# KiCad board REVIUNG34SPLIT-RIGHT.kicad_pcb
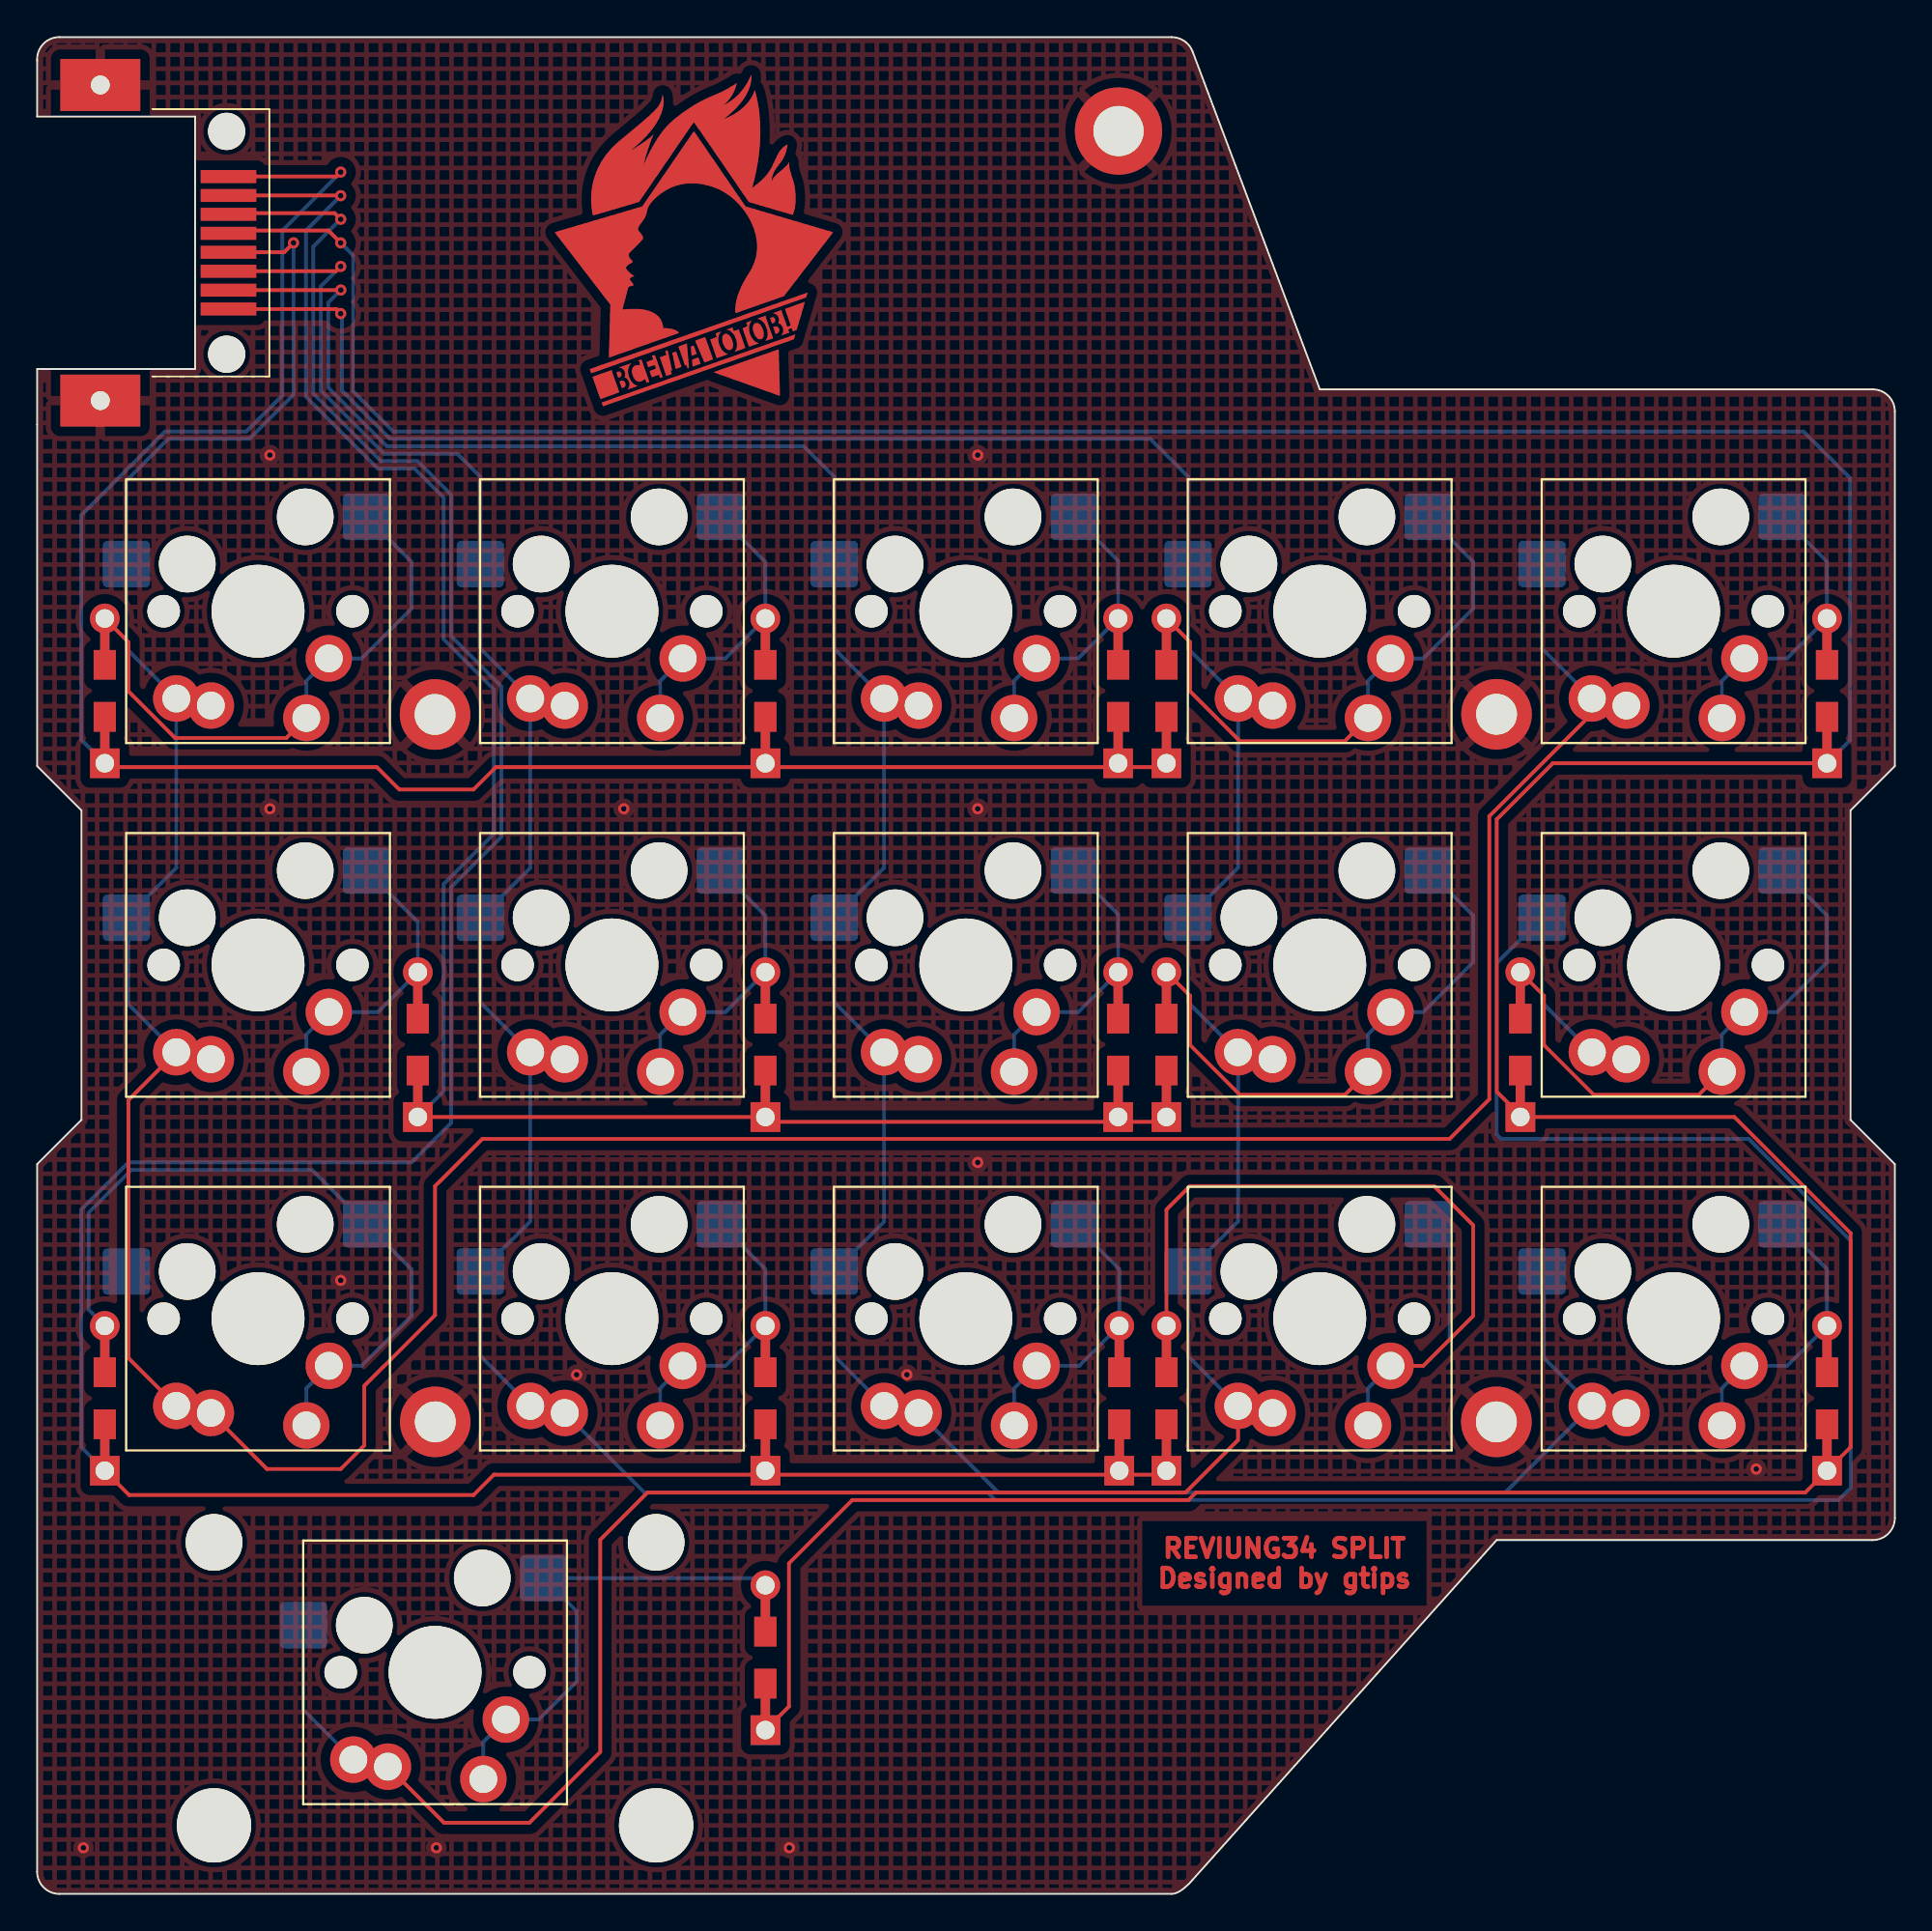
[diagram p0: board, top side]
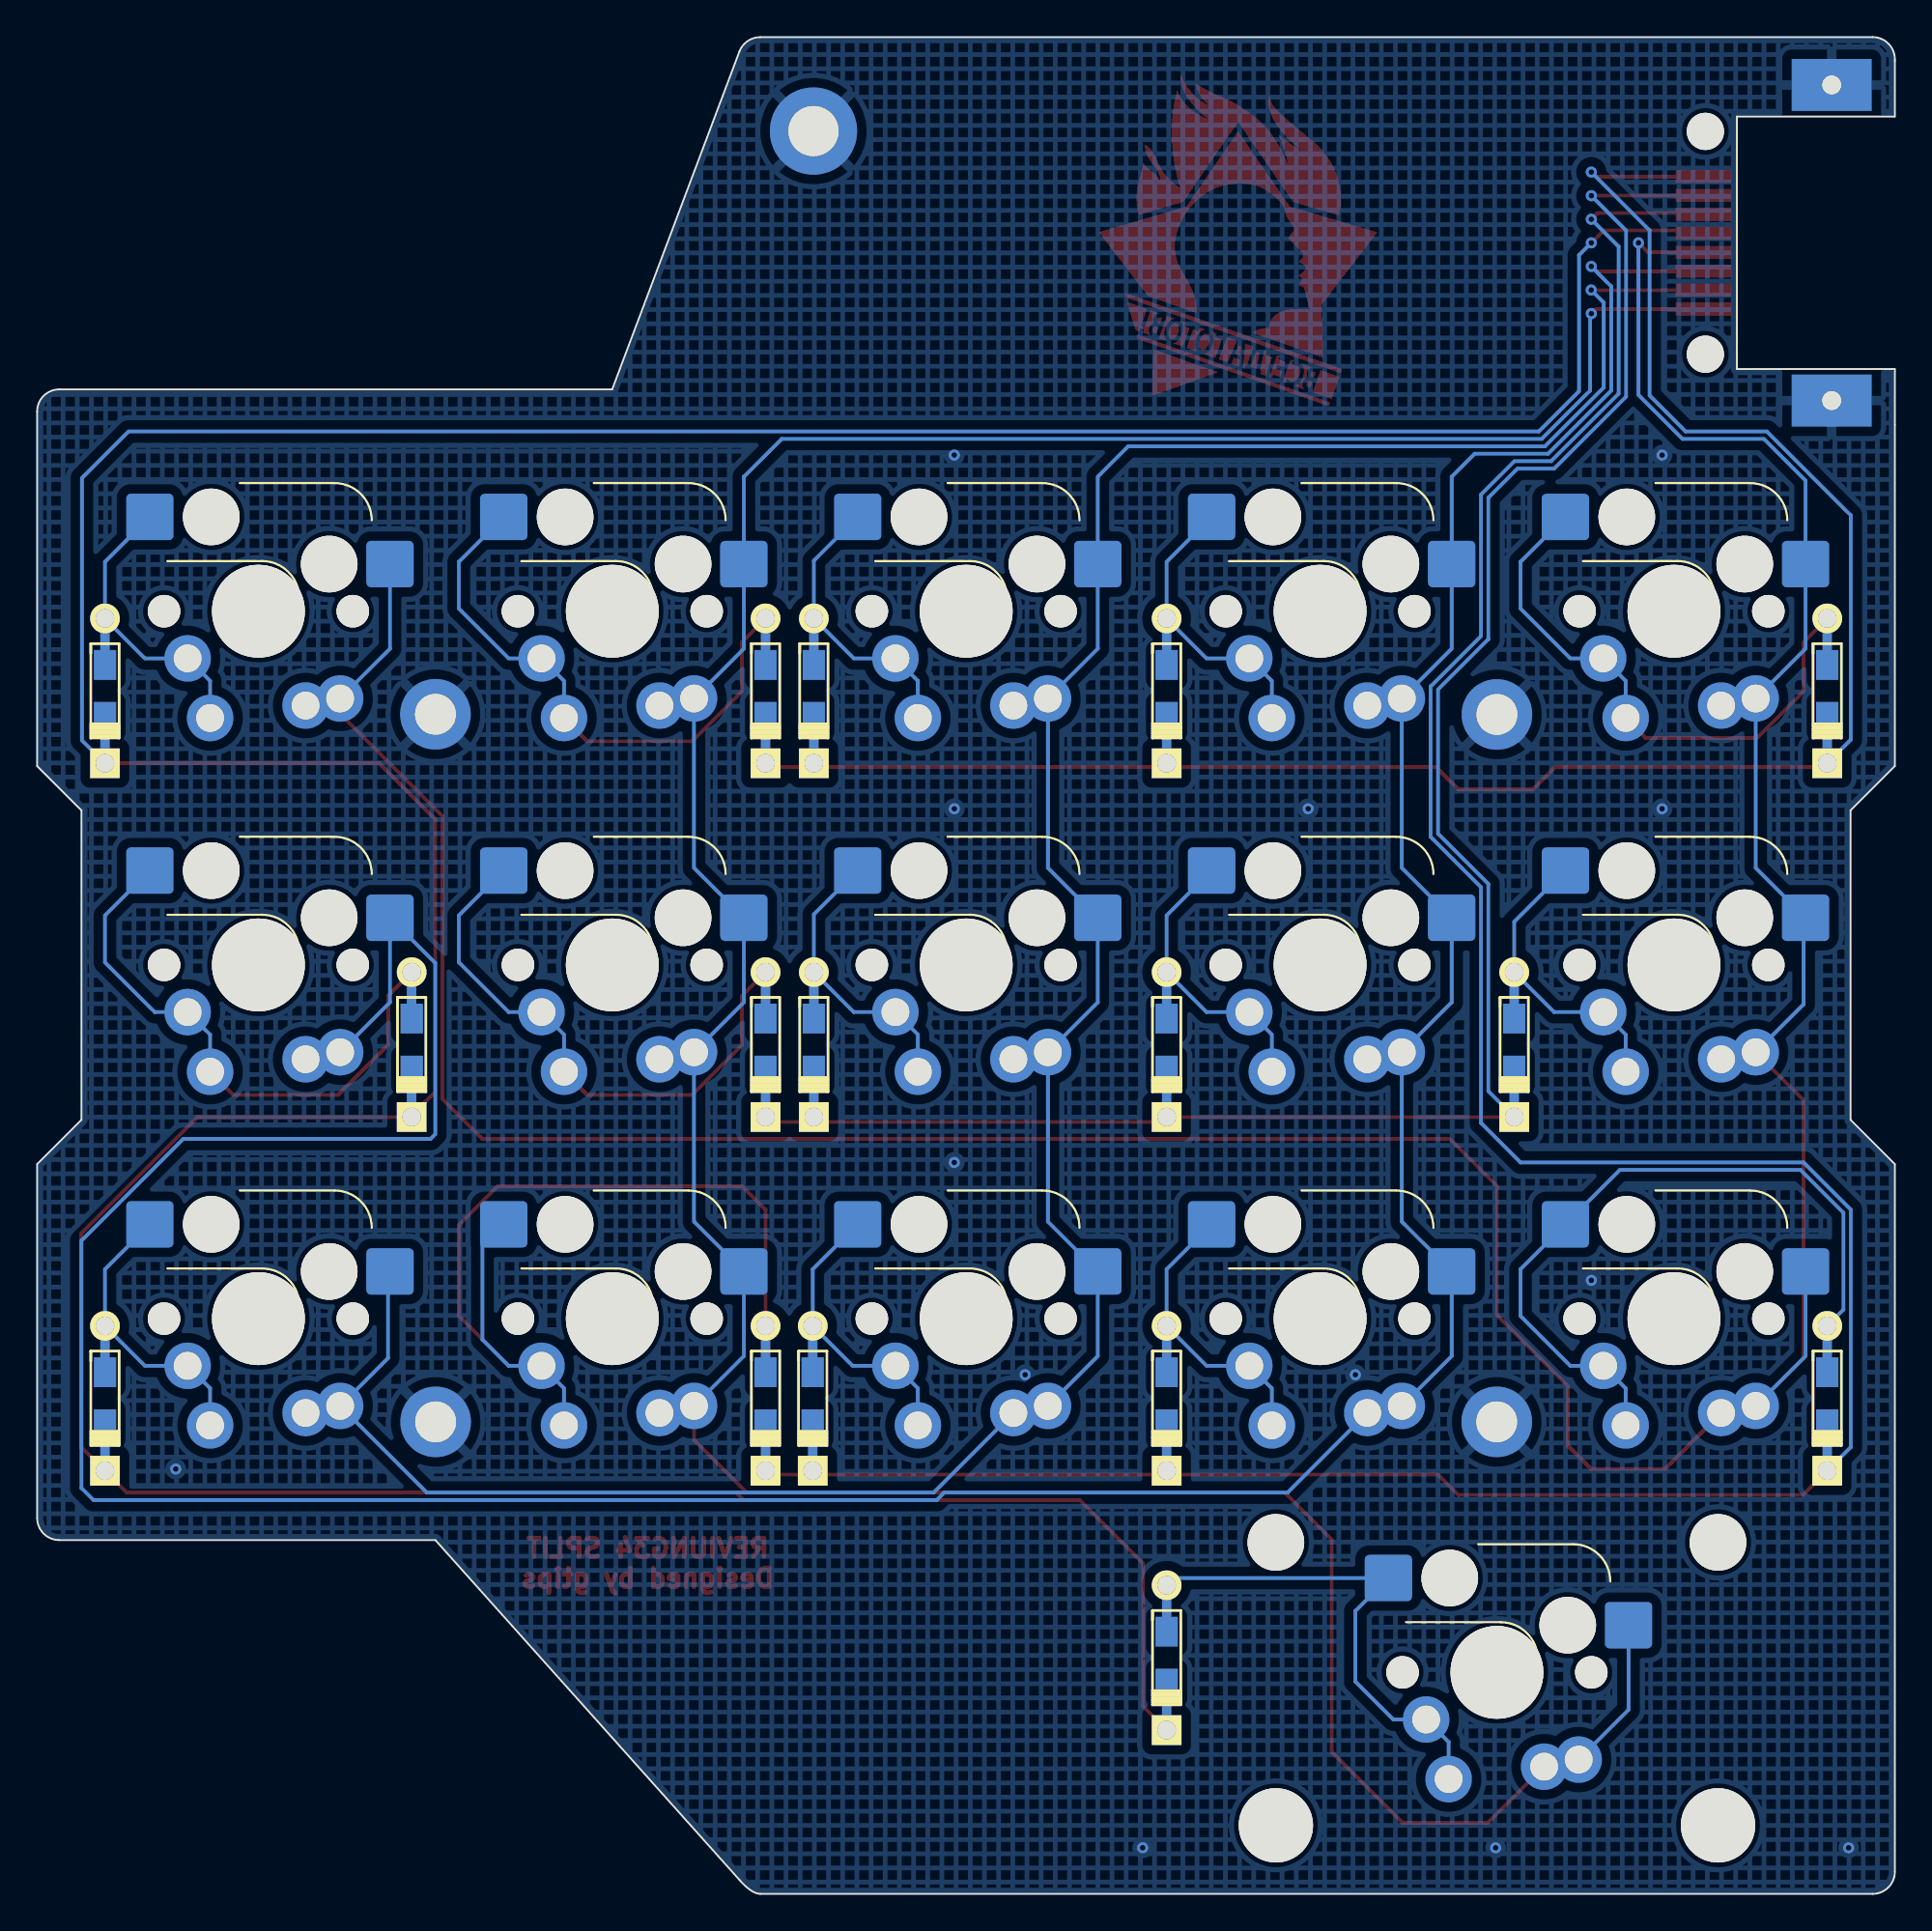
[diagram p1: board, bottom side, seen from below]

Outline 100 x 100 mm; copper layers: Top, Bottom. Coordinates in mm from the lower left corner of the outline.
Outline path: 0,98.72 0,98.81 ; 0,60.74 0,79.12
Stack: Top 0.035mm / dielectric 1.51mm FR4 er 4.5 / Bottom 0.035mm

## Placement (name value [footprint] x y rotation side)
D19  1N4148  [REVIUNG-DIODE-DUAL]  3.64 64.79 270 bottom
D20  1N4148  [REVIUNG-DIODE-DUAL]  39.2 64.79 270 bottom
D21  1N4148  [REVIUNG-DIODE-DUAL]  58.19 64.79 270 bottom
D22  1N4148  [REVIUNG-DIODE-DUAL]  60.79 64.79 270 bottom
D23  1N4148  [REVIUNG-DIODE-DUAL]  20.49 45.74 270 bottom
D24  1N4148  [REVIUNG-DIODE-DUAL]  39.2 45.74 270 bottom
D25  1N4148  [REVIUNG-DIODE-DUAL]  58.19 45.74 270 bottom
D26  1N4148  [REVIUNG-DIODE-DUAL]  60.79 45.74 270 bottom
D27  1N4148  [REVIUNG-DIODE-DUAL]  3.64 26.69 270 bottom
D28  1N4148  [REVIUNG-DIODE-DUAL]  39.2 26.69 270 bottom
D29  1N4148  [REVIUNG-DIODE-DUAL]  58.25 26.69 270 bottom
D30  1N4148  [REVIUNG-DIODE-DUAL]  60.79 26.69 270 bottom
D31  1N4148  [REVIUNG-DIODE-DUAL]  96.35 64.79 270 bottom
D32  1N4148  [REVIUNG-DIODE-DUAL]  79.84 45.74 270 bottom
D33  1N4148  [REVIUNG-DIODE-DUAL]  96.35 26.69 270 bottom
D34  1N4148  [REVIUNG-DIODE-DUAL]  39.2 12.72 270 bottom
G***  LOGO  [REVIUNG-LOGO]  35.39 88.92 0 top
H1  MountingHole_Pad  [MountingHole_2.7mm_M2.5_DIN965_Pad]  58.21 94.94 0 top
H2  H2  [MountingHole_2.2mm_M2_DIN965_Pad]  21.42 63.52 0 top
H3  H3  [MountingHole_2.2mm_M2_DIN965_Pad]  21.43 25.42 0 top
H4  H4  [MountingHole_2.2mm_M2_DIN965_Pad]  78.56 63.53 0 top
H5  H5  [MountingHole_2.2mm_M2_DIN965_Pad]  78.55 25.42 0 top
J1  8P8C  [SEPOR-RJ45-SOCKET]  5.39 88.92 270 top
SW19  SW_PUSH  [SEPOR-MX-KS27-HOTSWAP-1U]  11.89 69.08 0 top
SW20  SW_PUSH  [SEPOR-MX-KS27-HOTSWAP-1U]  30.94 69.08 0 top
SW21  SW_PUSH  [SEPOR-MX-KS27-HOTSWAP-1U]  49.99 69.08 0 top
SW22  SW_PUSH  [SEPOR-MX-KS27-HOTSWAP-1U]  69.04 69.08 0 top
SW23  SW_PUSH  [SEPOR-MX-KS27-HOTSWAP-1U]  11.89 50.03 0 top
SW24  SW_PUSH  [SEPOR-MX-KS27-HOTSWAP-1U]  30.94 50.03 0 top
SW25  SW_PUSH  [SEPOR-MX-KS27-HOTSWAP-1U]  49.99 50.03 0 top
SW26  SW_PUSH  [SEPOR-MX-KS27-HOTSWAP-1U]  69.04 50.03 0 top
SW27  SW_PUSH  [SEPOR-MX-KS27-HOTSWAP-1U]  11.89 30.98 0 top
SW28  SW_PUSH  [SEPOR-MX-KS27-HOTSWAP-1U]  30.94 30.98 0 top
SW29  SW_PUSH  [SEPOR-MX-KS27-HOTSWAP-1U]  49.99 30.98 0 top
SW30  SW_PUSH  [SEPOR-MX-KS27-HOTSWAP-1U]  69.04 30.98 0 top
SW31  SW_PUSH  [SEPOR-MX-KS27-HOTSWAP-1U]  88.09 69.08 0 top
SW32  SW_PUSH  [SEPOR-MX-KS27-HOTSWAP-1U]  88.09 50.03 0 top
SW33  SW_PUSH  [SEPOR-MX-KS27-HOTSWAP-1U]  88.09 30.98 0 top
SW34  SW_PUSH_2U  [SEPOR-MX-KS27-HOTSWAP-2U]  21.42 11.93 0 top

## Footprints (pads in the part's own frame, mm; a bottom-side part is the same pattern mirrored in y, then rotated)
MountingHole_2.2mm_M2_DIN965_Pad
  round 3.8 hole 2.2: 1(0,0)
MountingHole_2.7mm_M2.5_DIN965_Pad
  round 4.7 hole 2.7: 1(0,0)
REVIUNG-DIODE-DUAL
  rect 1.6x1.2 smd far side: 1(1.4,0) 2(-1.4,0)
  rect 1.6x1.2 smd: 1(1.4,0) 2(-1.4,0)
  rect 2.9x0.5 smd far side: 1(2.5,0) 2(-2.5,0)
  rect 2.9x0.5 smd: 1(2.5,0) 2(-2.5,0)
  rect 1.6x1.6 hole 1: 1(3.9,0)
  round 1.6 hole 1: 2(-3.9,0)
SEPOR-MX-KS27-HOTSWAP-1U
  round 1.75 hole 1.75 unplated: (-5.08,0) (5.08,0)
  round 3.05 hole 3.05 unplated: (-3.81,2.54) (2.54,5.08)
  round 5 hole 5 unplated: (0,0)
  rrect 2.55x2.5 smd far side: 1(-7.085,2.54) 2(5.842,5.08)
  round 2.5 hole 1.5: 1(-4.4,-4.7) 1(-2.54,-5.08) 2(2.6,-5.75) 2(3.81,-2.54)
SEPOR-MX-KS27-HOTSWAP-2U
  round 3.05 hole 3.05 unplated: (-11.9,7) (-3.81,2.54) (2.54,5.08) (11.9,7)
  round 4 hole 4 unplated: (-11.9,-8.24) (11.9,-8.24)
  round 1.75 hole 1.75 unplated: (-5.08,0) (5.08,0)
  round 5 hole 5 unplated: (0,0)
  rrect 2.55x2.5 smd far side: 1(-7.085,2.54) 2(5.842,5.08)
  round 2.5 hole 1.5: 1(-4.4,-4.7) 1(-2.54,-5.08) 2(2.6,-5.75) 2(3.81,-2.54)
SEPOR-RJ45-SOCKET
  round 1 hole 1 unplated: (-8.5,-1.99) (8.5,-1.99)
  round 2 hole 2 unplated: (-6,4.81) (6,4.81)
  rect 0.7x3 smd: 1(-3.57,4.91) 2(-2.55,4.91) 3(-1.53,4.91) 4(-0.51,4.91) 5(0.51,4.91) 6(1.53,4.91) 7(2.55,4.91) 8(3.57,4.91)
  rect 2.8x4.3 hole 1: SH(-8.5,-1.99) SH(8.5,-1.99)

## Nets
GND: H1.1 H2.1 H3.1 H4.1 H5.1 J1.SH
col5: J1.5 SW19.1 SW23.1 SW27.1 SW31.1
col6: J1.6 SW20.1 SW24.1 SW28.1 SW32.1
col7: J1.7 SW21.1 SW25.1 SW29.1 SW33.1
col8: J1.8 SW22.1 SW26.1 SW30.1 SW34.1
row0: D19.1 D20.1 D21.1 D22.1 J1.1
row1: D23.1 D24.1 D25.1 D26.1 J1.2
row2: D27.1 D28.1 D29.1 D30.1 J1.3
row3: D31.1 D32.1 D33.1 D34.1 J1.4
Net-(D19-Pad2): D19.2 SW19.2
Net-(D20-Pad2): D20.2 SW20.2
Net-(D21-Pad2): D21.2 SW21.2
Net-(D22-Pad2): D22.2 SW22.2
Net-(D23-Pad2): D23.2 SW23.2
Net-(D24-Pad2): D24.2 SW24.2
Net-(D25-Pad2): D25.2 SW25.2
Net-(D26-Pad2): D26.2 SW26.2
Net-(D27-Pad2): D27.2 SW27.2
Net-(D28-Pad2): D28.2 SW28.2
Net-(D29-Pad2): D29.2 SW29.2
Net-(D30-Pad2): D30.2 SW30.2
Net-(D31-Pad2): D31.2 SW31.2
Net-(D32-Pad2): D32.2 SW32.2
Net-(D33-Pad2): D33.2 SW33.2
Net-(D34-Pad2): D34.2 SW34.2

## Via types
v1: diameter 0.6, hole 0.3, Top to Bottom, 21 vias

## Routing (per net, layer and track width the routed paths; a pad name or vN(x,y) marks a point on that pad's centre or on a via; arc(x,y) is an arc through that point)
GND:
  vias: v1(2.49,2.48) v1(12.53,77.49) v1(12.53,58.44) v1(16.34,33.04) v1(21.49,2.48) v1(29.04,27.96) v1(31.58,58.44) v1(40.49,2.48) v1(46.82,27.96) v1(50.63,77.49) v1(50.63,58.44) v1(50.63,39.39) v1(92.54,22.88)
col5: length 203
  Top w0.2: SW23.1 4.91,42.75 4.91,28.86 SW27.1 ; SW31.1 83.69,63.56 78.17,58.04 78.17,42.8 76.03,40.66 23.96,40.66 21.42,38.12 21.42,31.17 17.61,27.36 17.61,24.15 16.34,22.88 12.37,22.88 SW27.1 ; v1(13.8,88.92) 13.29,88.41 10.37,88.41 10.3,88.48
  Bottom w0.2: SW31.1 81.01,67.07 SW31.1 ; SW23.1 4.91,47.91 4.91,52.47 SW23.1 7.49,55.26 SW19.1 4.81,67.07 SW19.1 4.81,76.12 7.05,78.36 11.43,78.36 13.8,80.74 v1(13.8,88.92) ; SW27.1 4.81,28.97 SW27.1
col6: length 206.6
  Top w0.2: v1(16.34,87.65) 16.08,87.39 10.37,87.39 10.3,87.46
  Bottom w0.2: SW32.1 81.01,48.02 SW32.1 78.57,50.14 78.57,40.91 78.82,40.66 92.13,40.66 97.62,35.18 97.62,21.86 96.97,21.21 51.57,21.21 51.17,21.61 32.69,21.61 SW28.1 ; SW28.1 23.86,28.97 23.86,33.52 26.54,36.21 SW24.1 23.86,48.02 23.86,52.57 26.54,55.26 SW20.1 23.86,67.07 23.86,76.33 22.62,77.56 18.67,77.56 15.27,80.96 15.27,86.58 v1(16.34,87.65)
col7: length 144.8
  Top w0.2: 10.3,86.44 10.37,86.37 16.34,86.37 v1(16.35,86.38)
  Bottom w0.2: SW29.1 42.91,28.97 SW29.1 45.59,36.21 SW25.1 42.91,48.02 SW25.1 45.59,55.26 SW21.1 42.91,67.07 SW21.1 42.91,76.33 41.27,77.96 18.84,77.96 15.67,81.13 15.67,85.7 v1(16.35,86.38) ; SW29.1 51.74,21.61 79.02,21.61 SW33.1 81.11,28.86 81.11,33.42 SW33.1 81.01,33.5
col8: length 185.9
  Top w0.2: 10.3,85.42 10.37,85.35 16.1,85.35 v1(16.34,85.11) ; SW34.1 21.9,3.83 26.5,3.83 30.31,7.64 30.31,19.07 32.85,21.61 61.81,21.61 64.64,24.44 SW30.1
  Bottom w0.2: v1(16.34,85.11) 16.4,85.05 16.4,80.96 19,78.36 59.92,78.36 61.96,76.33 SW22.1 61.96,67.07 SW22.1 64.64,55.26 SW26.1 61.96,48.02 SW26.1 64.64,36.21 SW30.1 61.96,28.97 SW30.1 ; SW34.1 14.34,9.92 14.34,14.47
row0: length 105.1
  Top w0.2: v1(16.34,92.73) 16.1,92.49 J1.1 ; 60.79,60.68 24.69,60.68 23.49,59.48 19.49,59.48 18.29,60.68 3.85,60.68 D19.1
  Bottom w0.2: v1(16.34,92.73) 13.2,89.59 13.2,80.7 11.26,78.76 6.88,78.76 2.37,74.25 2.37,62.16 D19.1
row1: length 103.9
  Top w0.2: D23.1 38.93,41.84 39.19,41.58 60.79,41.58 ; J1.2 16.33,91.47 v1(16.34,91.46)
  Bottom w0.2: v1(16.34,91.46) 14.47,89.59 14.47,80.63 18.34,76.76 20.31,76.76 21.88,75.2 21.88,67.58 24.59,64.87 24.59,57.1 21.88,54.39 21.88,43.23 D23.1
row2: length 156.5
  Top w0.2: v1(16.34,90.19) 16.01,90.52 10.3,90.52 ; D27.1 4.95,21.48 23.49,21.48 24.59,22.58 60.79,22.58
  Bottom w0.2: v1(16.34,90.19) 14.87,88.72 14.87,80.8 18.51,77.16 20.48,77.16 22.28,75.36 22.28,67.74 24.99,65.03 24.99,56.93 22.28,54.22 22.28,41.52 20.15,39.39 4.91,39.39 2.37,36.85 2.37,24.06 D27.1
row3: length 249.8
  Top w0.2: D31.1 81.59,60.89 78.57,57.88 78.57,43.2 79.84,41.93 D32.1 91.36,41.84 97.62,35.58 97.62,24.06 D33.1 95.17,21.61 62.38,21.61 61.98,21.21 43.88,21.21 40.47,17.8 40.47,10.09 D34.1 ; J1.4 10.46,89.59 15.67,89.59 v1(16.34,88.92)
  Bottom w0.2: D31.1 97.59,62.13 97.59,76.25 95.08,78.76 19.17,78.76 17,80.92 17,88.26 v1(16.34,88.92)
Net-(D19-Pad2): length 30.7
  Top w0.2: SW19.2 13.41,62.25 7.43,62.25 4.91,64.77 4.91,67.42 D19.2
  Bottom w0.2: SW19.2 14.49,65.33 SW19.2 17.47,66.54 20.15,69.22 20.15,71.74 SW19.2
Net-(D20-Pad2): length 15.5
  Bottom w0.2: SW20.2 39.2,71.74 D20.2 37.05,66.54 SW20.2 33.54,65.33 SW20.2
Net-(D21-Pad2): length 15.4
  Bottom w0.2: SW21.2 58.19,71.8 D21.2 56.04,66.54 SW21.2 52.59,65.33 SW21.2
Net-(D22-Pad2): length 30.9
  Top w0.2: SW22.2 70.39,62.08 64.75,62.08 62.06,64.77 62.06,67.42 D22.2
  Bottom w0.2: SW22.2 77.3,71.74 77.3,69.22 74.62,66.54 SW22.2 71.64,65.33 SW22.2
Net-(D23-Pad2): length 16
  Bottom w0.2: SW23.2 14.49,46.28 SW23.2 18.34,47.49 D23.2 20.49,52.35 SW23.2
Net-(D24-Pad2): length 15.5
  Bottom w0.2: SW24.2 33.54,46.28 SW24.2 37.05,47.49 D24.2 39.2,52.69 SW24.2
Net-(D25-Pad2): length 15.4
  Bottom w0.2: SW25.2 58.19,52.75 D25.2 56.04,47.49 SW25.2 52.59,46.28 SW25.2
Net-(D26-Pad2): length 30.9
  Top w0.2: SW26.2 70.39,43.03 64.75,43.03 62.06,45.72 62.06,48.37 D26.2
  Bottom w0.2: SW26.2 77.3,52.69 77.3,50.17 74.62,47.49 SW26.2 71.64,46.28 SW26.2
Net-(D27-Pad2): length 38.8
  Bottom w0.2: SW27.2 14.49,27.23 SW27.2 17.47,28.44 20.15,31.12 20.15,33.64 SW27.2 14.8,38.99 5.08,38.99 2.77,36.69 2.77,31.46 D27.2
Net-(D28-Pad2): length 15.5
  Bottom w0.2: SW28.2 39.2,33.64 D28.2 37.05,28.44 SW28.2 33.54,27.23 SW28.2
Net-(D29-Pad2): length 15.5
  Bottom w0.2: SW29.2 52.59,27.23 SW29.2 56.1,28.44 D29.2 58.25,33.64 SW29.2
Net-(D30-Pad2): length 48.8
  Top w0.2: D30.2 60.79,36.85 62.06,38.12 75.2,38.12 77.3,36.02 77.3,31.12 74.62,28.44 SW30.2
  Bottom w0.2: SW30.2 71.64,27.23 SW30.2 74.62,28.44 76.03,29.85 76.03,34.91 SW30.2
Net-(D31-Pad2): length 15.5
  Bottom w0.2: SW31.2 90.69,65.33 SW31.2 94.2,66.54 D31.2 96.35,71.74 SW31.2
Net-(D32-Pad2): length 30.9
  Top w0.2: D32.2 81.11,48.37 81.11,45.72 83.8,43.03 89.44,43.03 SW32.2
  Bottom w0.2: SW32.2 96.35,52.69 96.35,50.17 93.67,47.49 SW32.2 90.69,46.28 SW32.2
Net-(D33-Pad2): length 15.5
  Bottom w0.2: SW33.2 90.69,27.23 SW33.2 94.2,28.44 D33.2 96.35,33.64 SW33.2
Net-(D34-Pad2): length 26.8
  Bottom w0.2: D34.2 38.81,17.01 SW34.2 29.04,15.23 29.04,11.43 27,9.39 SW34.2 24.02,8.18 SW34.2

## Copper pours and planes (outline as drawn; the poured copper is in the pictures)
GND on Top: 102.7,-2.52 -1.44,-2.52 -1.44,101.62 102.7,101.62
GND on Bottom: 102.7,-2.52 -1.44,-2.52 -1.44,101.62 102.7,101.62

## Text on the board
Top: REVIUNG34 SPLIT / Designed by gtips
